# KiCad board AICORS_PCB.kicad_pcb (continued)
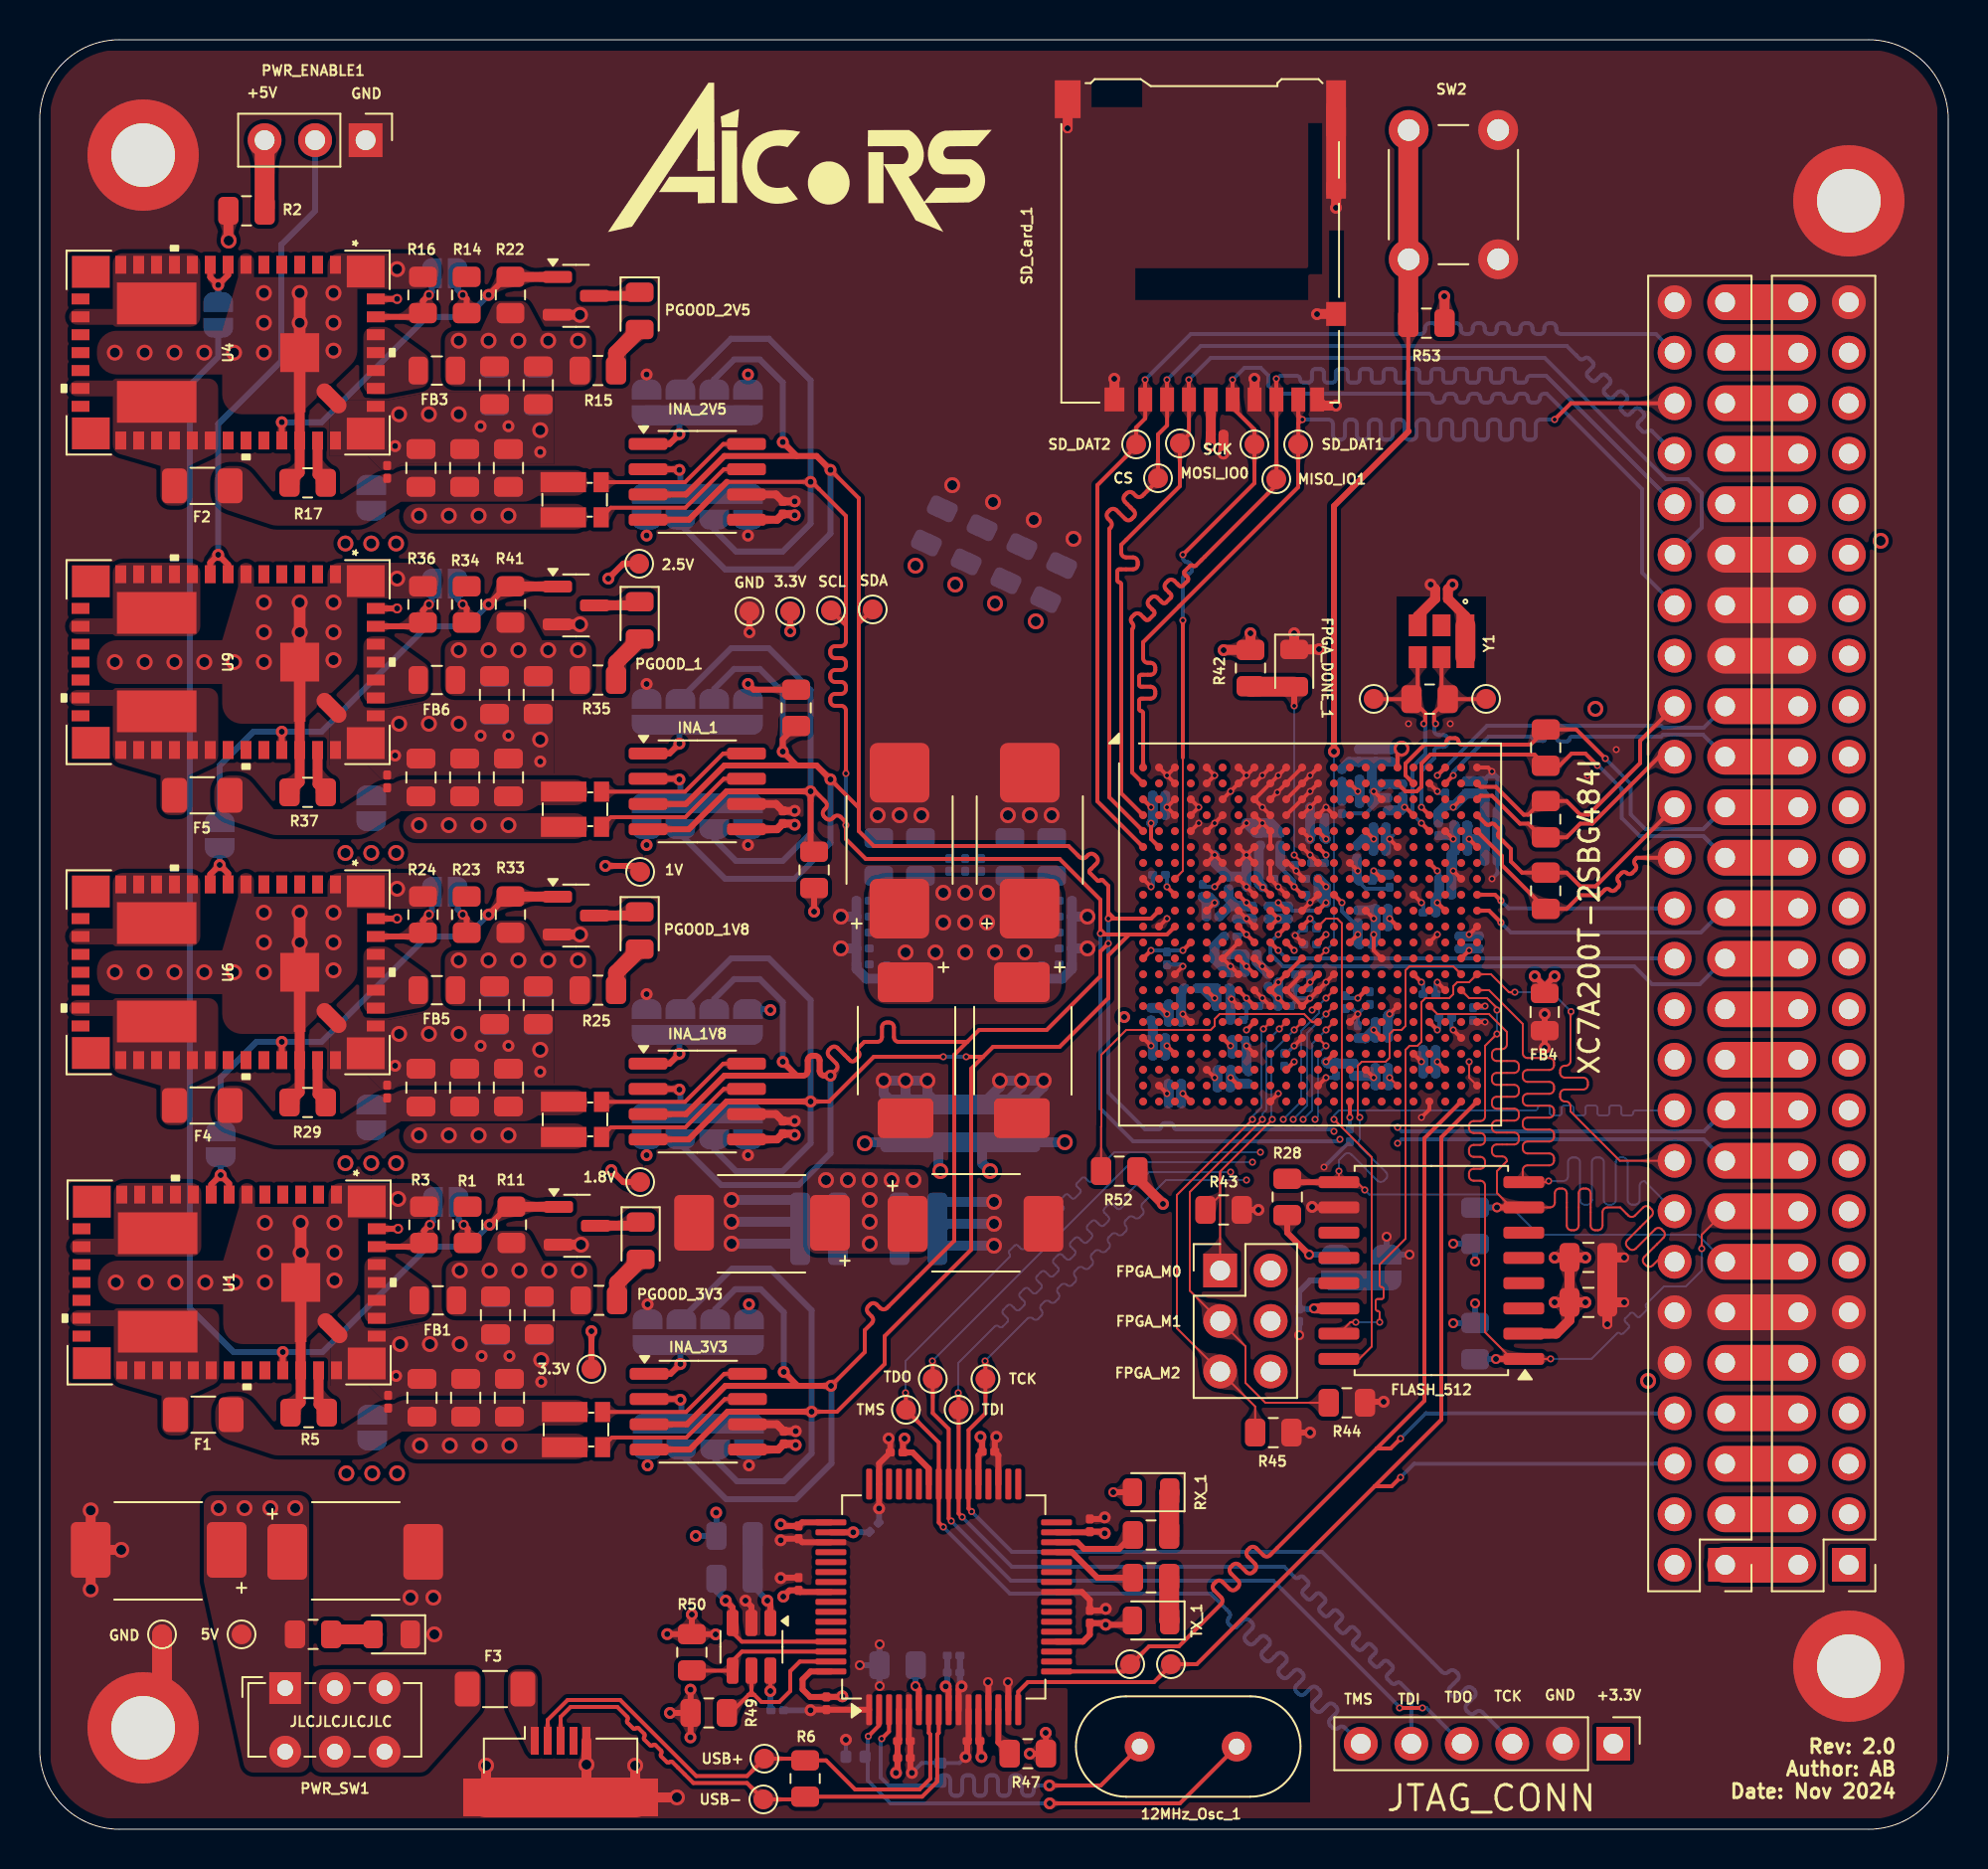
[diagram p0: board, top side]
## Nets (continued)
Pads without a net: FLASH_512 3 4 5 6 11 12 13; J4 4; U1 3 4 5 6 15 16 18 19 20 22 23 30 31 32; U3 A4 A6 A13 A14 A15 A16 A18 A19 A21 AA1 AA3 AA4 AA5 AA6 AA8 AA9 AA10 AA11 AA13 AA14 AA15 AA16 AA18 AA19 AA20 AA21 AB1 AB2 AB3 AB5 AB6 AB7 AB8 AB10 AB11 AB12 AB13 AB15 AB16 AB17 AB18 AB20 B2 B4 B6 B13 B15 B16 B21 C2 C5 C7 C13 C14 C15 C17 C18 C19 C20 D2 D5 D7 D14 D15 D16 D17 D20 D21 E2 E3 E6 E10 E13 E14 E16 E17 E18 E21 F3 F4 F6 F10 F13 F14 F15 F16 F18 F19 F20 F21 G1 G2 G3 G4 G13 G15 G16 G17 G18 G20 G21 G22 H2 H4 H5 H13 H14 H15 H17 H18 H19 H20 H22 J1 J2 J4 J5 J6 J14 J15 J16 J17 J19 J20 J21 K1 K3 K4 K6 K13 K14 K16 K17 K18 K19 K21 L1 L4 L5 L6 L13 L14 L15 L16 L18 L19 L20 L21 M1 M2 M3 M5 M6 M13 M15 M16 M17 M18 M20 M21 M22 N2 N3 N4 N5 N9 N10 N13 N14 N15 N17 N18 N19 N20 N22 P1 P2 P4 P5 P6 P14 P15 P16 P17 P19 P20 R1 R2 R3 R4 R6 R14 R16 R17 R18 R19 T1 T3 T4 T5 T6 T14 T15 T16 T18 T20 T21 U1 U2 U3 U5 U6 U7 U15 U16 U17 U18 U20 U21 V2 V3 V4 V5 V7 V8 V9 V10 V13 V14 V15 V17 V18 V19 V20 V22 W1 W2 W4 W5 W6 W7 W9 W10 W11 W12 W14 W15 W16 W17 W19 W20 W21 W22 Y1 Y2 Y3 Y4 Y6 Y7 Y8 Y9 Y11 Y12 Y13 Y14 Y16 Y17 Y18 Y19 Y21 Y22; U4 3 4 5 6 15 16 18 19 20 22 23 30 31 32; U6 3 4 5 6 15 16 18 19 20 22 23 30 31 32; U9 3 4 5 6 15 16 18 19 20 22 23 30 31 32; U12 18 19 21 22 23 24 26 27 28 32 33 34 36 43 44 45 46 48 52 53 54 55 57 58 59 60; Y1 2

## Via types
v1: diameter 0.35, hole 0.2, Top to Bottom, 207 vias
v2: diameter 0.6, hole 0.3, Top to Bottom, 147 vias
v3: diameter 0.5, hole 0.3, Top to Bottom, 34 vias
v4: diameter 0.8, hole 0.5, Top to Bottom, 196 vias

## Routing (per net, layer and track width the routed paths; a pad name or vN(x,y) marks a point on that pad's centre or on a via; arc(x,y) is an arc through that point)
1V_VOLTAGE_EN: length 25.2
  Top w0.3: U9.9 8.58,63.7 v2(8.98,64.1) 9.48,63.6 U9.8
  Bottom w0.3: v2(8.98,64.1) 8.98,70.68 12.15,73.85 12.15,79.7 13.85,81.4 PWR_ENABLE1.2
+1.8V: length 163.1
  Top w0.1: U3.AA17 v1(67.9,37.8)
  Top w0.2: v1(59.9,39.4) U3.V6 ; U3.T2 v1(56.7,41) ; U3.M12 v1(64.7,45) ; v1(64.7,46.6) U3.K12 ; U3.V16 v1(67.1,40.2) ; U3.K10 v1(62.3,46.6) ; U3.W13 v1(64.7,38.6) ; U3.AB4 v1(57.5,37) ; U3.E12 v1(64.7,49.8) ; U3.W3 v1(56.7,39.4) ; U3.Y10 v1(63.1,38.6) ; U3.AA7 v1(59.9,37.8) ; U3.H12 v1(64.7,47.4) ; U3.AB14 v1(65.9,35.8) ; U3.R11 U3.P12 ; U3.R5 v1(59.1,41.8)
  Top w0.3: U6.44 v3(17.98,45.8) ; v2(28.75,33.15) 29.35,32.55 PWR_1V1.1
  Top w1.8: J10.46 J14.45 ; J10.8 J14.7
  In2.Cu w0.5: J14.7 83.5,22.2 81.25,22.2 v4(80.9,22.55)
  In3.Cu w0.3: 56.3,42.2 32.9,42.2 27.55,47.55 19.73,47.55 v3(17.98,45.8)
  In3.Cu w0.5: J14.45 83.51,70.45 81.4,70.45 80.15,69.2 80.15,37.85 75.85,33.55 ; 75.85,33.55 75.8,33.6 68.1,33.6 ; 75.85,33.55 80.4,29 80.4,23.05 v4(80.9,22.55)
  Bottom w0.2: C86.1 62.12,46.42 v1(62.3,46.6) 62.48,46.42 C87.1 63.02,46.2 U3.K12 v1(64.7,46.6) ; 56.78,41.1 C175.1 ; 56.78,41.1 56.7,41.02 v1(56.7,41) ; 56.78,41.1 C163.1 ; C88.1 64.22,44.52 v1(64.7,45) ; C171.1 63.8,42.5 ; 63.8,42.5 v1(63.9,42.6) ; 63.8,42.5 63.8,42.22 63.82,42.2 ; v1(59.9,39.4) 59.9,39.28 59.98,39.2 ; 57.42,37.1 C91.1 ; 57.42,37.1 C158.1 ; 57.42,37.1 57.5,37.02 v1(57.5,37) ; C162.1 56.62,39.5 ; 56.62,39.5 C174.1 ; 56.62,39.5 56.7,39.42 v1(56.7,39.4) ; v1(59.1,41.8) 59.1,41.82 59.18,41.9 ; C156.1 62.88,38.38 v1(63.1,38.6) ; C165.1 64.62,49.88 ; C166.1 59.18,41.9 ; 59.18,41.9 C178.1 ; C90.1 67.18,40.3 ; 67.18,40.3 67.1,40.22 v1(67.1,40.2) ; 67.18,40.3 C169.1 ; 59.98,39.2 C173.1 ; 59.98,39.2 59.98,39.8 ; v1(65.9,35.8) C157.1 ; C164.1 64.7,47.38 v1(64.7,47.4) ; v1(64.7,38.6) 65.14,38.6 C93.1
  Bottom w0.5: C158.1 C91.1 ; C168.1 58.5,42.3 ; 58.5,42.3 C166.1 C178.1 59.18,41.62 58.5,42.3 ; v1(56.7,41) 56.38,41.32 C155.1 ; C167.1 66.68,39.78 v1(67.1,40.2) ; C160.1 67.82,37.42 C172.1 ; v1(64.7,38.6) 64.78,38.52 C159.1 ; C169.1 C90.1 ; v1(59.9,37.8) 60.22,37.48 C170.1 ; C162.1 C174.1 ; 64.62,50.85 C177.1 64.62,49.88 v1(64.7,49.8) ; C89.1 59.92,37.34 C94.1 ; C163.1 C175.1 ; C87.1 C86.1 ; C161.1 C173.1 ; C176.1 C164.1 64.32,46.98 v1(64.7,46.6) v1(64.7,47.4) 64.7,47.42 C176.1
  vias: v4(15.38,33.5) v4(16.68,33.5) v4(17.93,33.5) v4(39.55,32.65) v4(40.65,32.65) v4(41.75,32.65) v4(41.75,31.65) v4(41.75,30.55) v4(41.75,29.45) v4(42.85,32.65) v4(43.95,32.65)
+2.5V: length 198.9
  Top w0.2: v1(68.65,51.4) 68.7,51.4 U3.D18 ; U3.A17 68.3,54.15 v4(68.5,54.35) ; U3.B14 v1(66.3,52.2) ; U3.E15 v1(67.1,49.8) ; U3.C21 v1(71.1,51.4) ; U3.F22 v1(71.9,49.8)
  Top w0.3: v2(28.6,62.9) 29.35,63.65 PWR_2V1.1 ; U4.44 17.98,76.97 v3(17.98,76.97)
  Top w1.8: J14.47 J10.48 ; J14.5 J10.6
  In2.Cu w0.5: v4(68.5,54.35) 72,54.35 77.85,60.2 77.85,69.8 81.05,73 83.5,73 J14.47
  In3.Cu w0.3: 66.95,54.55 66.95,55.35 43.7,78.6 19.61,78.6 v3(17.98,76.97)
  In3.Cu w0.5: J10.6 89.74,17.1 92.15,17.1 94.2,19.15 94.2,68.15 91.9,70.45 89.73,70.45 J10.48
  Bottom w0.2: C99.1 67.97,51.4 v1(68.65,51.4) 68.55,51.5 C104.1 ; 65.98,52.2 C114.1 ; 65.98,52.2 C103.1 ; 65.98,52.2 v1(66.3,52.2) ; C98.1 71.9,49.28 v1(71.9,49.8) 71.79,49.91 C97.1 ; C111.1 70.35,51 70.75,51.4 v1(71.1,51.4) ; C106.1 67.1,49.22 v1(67.1,49.8) 67.08,49.82 C95.1 ; C96.1 66.3,51.68 v1(66.3,52.2) ; v1(71.1,51.4) 70.78,51.4 C107.1 ; v1(71.1,51.4) 71.1,51.43 C116.1 ; 72.68,52 C113.1 C112.1 C109.1 ; v1(66.3,52.2) 66.3,52.72 C110.1 ; C115.1 67.22,54.3 68.3,54.3 68.3,54.27
  Bottom w0.5: C111.1 70.35,51.13 C107.1 71.15,51.48 C116.1 C108.1 72.68,52 C109.1 ; C106.1 C95.1 ; C112.1 72.38,49.8 v1(71.9,49.8) ; 65.5,52.2 v1(66.3,52.2) ; 65.5,52.2 C103.1 ; 65.5,52.2 C114.1 ; C100.1 C115.1 C105.1 ; C104.1 68.55,51.45 68.6,51.4 68.43,51.23 C99.1 ; C98.1 71.82,50.47 C97.1 ; C101.1 66.58,49.8 v1(67.1,49.8) ; C110.1 C96.1
  vias: v4(15.38,64.67) v4(16.68,64.67) v4(17.93,64.67) v4(44.05,63.55) v4(46.05,62.6) v4(48.05,61.65) v4(50.1,60.75)
+3.3V: length 196.6
  Top w0.2: U3.K20 v1(70.3,46.6) ; U3.L17 v1(67.9,45.8) ; U3.C1 v1(55.9,51.4) ; v1(60.7,40.2) U3.U8 ; U3.U19 v1(70.3,40.2) ; U3.F12 v1(64.7,49) ; U3.H6 v1(59.1,47.4) ; U3.N1 v1(55.9,44.2) ; U3.F2 55.9,49.8 v1(55.9,50.6) ; U3.R15 v1(66.3,41.8) ; U3.J13 v1(65.5,46.6) ; U3.P18 v1(69.5,42.6) ; U3.M4 v1(57.5,44.2) ; U3.J3 v1(56.7,47.4) ; U3.N21 v1(71.9,44.2) ; EEPROM_1.6 v2(36.75,6.95) ; U3.H16 v1(67.1,48.2) ; v1(72.7,41.4) U3.T22 ; U3.T12 64.2,41.4 v1(64,41.2) ; U3.M14 v1(66.3,45) ; U3.Y20 v1(70.3,38.6) ; U3.G19 v1(70.3,48.2)
  Top w0.3: SCL_UP_1.2 v2(38.95,46.15) ; R49.1 32.74,7.02 v2(32.73,7.02) ; R49.1 32.74,4.63 v2(32.73,4.62) ; R49.1 v2(31.7,5.85) ; U12.56 38.25,11.94 C221.1 37.72,12.02 v2(37.4,11.7) ; R50.1 v2(32.8,10.8) ; R50.1 33.99,9.81 v2(34,9.8) ; R50.1 v2(31.56,9.81) ; U12.9 45.72,7.03 v2(45.57,7.19) ; U1.44 v3(18.03,30.2) ; U12.42 44.72,18.13 43.91,18.95 C224.1 43.42,19.57 v2(43.5,19.65) ; v2(50.6,4.85) 50.61,4.84 R47.2 v2(49.8,3.8) ; RX_1.2 v3(54,16.95) ; v2(35.63,57.6) 35.91,57.31 SDA_UP_1.2 ; v3(63.85,28.9) 62.75,30 R28.1 ; TX_1.2 54.75,10.28 v2(53.62,10.28) 53.54,10.37 C222.1 52.82,9.78 52.47,9.44 U12.20 ; U12.4 43.22,4.5 C227.1 C228.1 43.15,2.91 v2(43.07,2.84) ; PWR_3V1.1 v2(27.75,25.05) ; v2(53.57,14.89) 53.49,14.97 C223.1 52.79,14.94 U12.31 ; TP19.1 v2(37.75,60.25) ; U12.50 v2(40.92,14.94)
  Top w0.4: 35.55,65.86 37.09,65.86 C151.1 37.92,66.15 v2(37.98,66.09) ; 35.55,34.7 37.09,34.7 C199.1 37.92,34.98 v2(37.98,34.92) ; v2(37.98,50.52) 37.92,50.58 C213.1 37.09,50.3 35.55,50.3 ; INA_3V3.5 37.14,19.1 C66.1 37.97,19.38 v2(38.03,19.32)
  Top w0.5: v2(58.89,69.58) 58.9,69.59 C204.1 58.91,70.15 SD_Card_1.4 ; Y1.1 71.71,61.01 C15.1 70.83,62.37 v2(71.06,62.6) ; v2(76.2,28.75) 76.21,28.76 C233.1 ; C234.1 76.95,25.6 76.28,24.93 FLASH_512.2 ; C234.1 v2(77.75,26.5) ; C234.1 C233.1 ; C234.1 v2(76.2,26.5) ; v2(60.9,60.15) R42.1 59.56,59.31 v2(59.55,59.3) ; C233.1 77.74,28.76 v2(77.75,28.75) ; R53.1 70.66,77.09 v2(70.65,77.1) ; v2(56.5,31.45) 55.21,32.74 R52.1
  Top w1: Y1.6 Y1.1
  Top w1.8: J10.4 J14.3 ; J10.50 J14.49
  In3.Cu w0.3: v3(18.03,30.2) 17.45,30.2 14.5,33.15 14.5,35.8 15.35,36.65 16.05,36.65 16.05,36.65 37.2,36.65 41.4,40.85 v2(54.55,40.85)
  Bottom w0.2: C146.1 69.58,42.52 v1(69.5,42.6) ; C130.1 55.9,51.08 v1(55.9,51.4) ; C130.1 C150.1 ; C130.1 55.9,50.92 v1(55.9,50.6) ; 67.4,48.02 67.04,48.02 67.02,48 ; 67.4,48.02 C125.1 ; 67.4,48.02 67.28,48.02 ; v1(65.5,46.6) 65.5,46.18 66.1,45.58 C145.1 v1(66.3,45) 66.38,44.92 C142.1 ; C147.1 70.38,40.28 v1(70.3,40.2) ; C127.1 65.82,41.8 v1(66.3,41.8) 66.62,42.12 C139.1 ; C131.1 70.38,48.12 v1(70.3,48.2) ; v1(56.7,47.4) 56.7,47.92 C129.1 ; C123.1 70.38,46.68 v1(70.3,46.6) 70.22,46.52 C133.1 ; 67.02,48 C143.1 67.28,47.96 67.28,48.02 ; 67.02,48 67.02,48.12 v1(67.1,48.2) 67.28,48.02 ; C126.1 72.62,41.32 v1(72.7,41.4) ; v1(57.5,44.2) v1(55.9,44.2) ; C148.1 70.22,38.68 v1(70.3,38.6) 70.22,38.52 C134.1 ; v1(64.7,49) 64.7,48.68 C149.1 ; v1(59.1,47.4) 58.62,47.4 C128.1
  Bottom w0.3: v2(36.75,41.2) 36.7,41.25 A1_2.1 ; v2(30.53,65.07) A0_3.1 ; v3(72.2,26.45) R27.1 71.11,25.46 v3(71.1,25.45) ; v2(35.63,73.17) A1_3.1 ; v2(33,14.75) R48.1 34.04,15.91 v2(34.03,15.93) ; v2(30.58,18.3) A0_4.1 ; JP8.2 v3(63.85,28.9) ; v2(36.75,6.95) 36.75,6.01 C231.1 ; v3(71.1,29.45) 71.11,29.44 R26.1 v3(72.2,28.55) ; v2(30.53,33.9) A0_2.1 ; C226.1 45.65,7.27 v2(45.57,7.19) ; v2(35.63,57.6) A1_1.1 ; C220.1 41.72,14.94 v2(40.92,14.94) ; v2(35.68,26.4) A1_4.1 ; v2(30.53,49.5) A0_1.1
  Bottom w0.5: C133.1 70.22,46.84 C131.1 C123.1 ; C141.1 C124.1 ; C134.1 C148.1 ; C184.1 41.55,34.55 v4(41.5,34.5) ; v4(45.3,33.1) 45.2,33.2 C183.1 ; C185.1 51.56,34.55 v4(51.56,34.55) ; C145.1 66.3,44.58 C142.1 ; C186.1 47.4,33.5 v4(47.8,33.1) ; 67.02,47.75 67.29,48.02 C125.1 ; v1(55.9,50.6) 55.98,50.68 C150.1 ; C132.1 C144.1
  Bottom w1: C185.1 C184.1
  vias: v4(15.43,17.9) v4(16.73,17.9) v4(17.98,17.9)
+5V: length 166
  Top w0.5: R2.2 9.49,79.91 v4(9.5,79.9)
  Top w1.8: J14.1 J10.2 ; J10.52 J14.51
  In3.Cu w1: 13.8,80.35 19.2,80.35 26.4,87.55 75.23,87.55 84.78,78 J14.51
  In4.Cu w1: J10.52 90.31,78.65 92,78.65 93.95,76.7 93.95,12.3 92.95,11.3 90.1,11.3 88.46,12.94
  vias: v4(9,16.15) v4(10.3,16.15) v4(11.6,16.15) v4(12.85,16.15) v4(21.08,74.87) v4(21.08,59.3) v4(21.08,43.7) v4(21.13,28.1) v4(22.58,74.87) v4(22.58,59.3) v4(22.58,43.7) v4(22.63,28.1) v4(24.08,74.87) v4(24.08,59.3) v4(24.08,43.7) v4(24.13,28.1) v4(25.58,74.87) v4(25.58,59.3) v4(25.58,43.7) v4(25.63,28.1) v4(27.08,74.87) v4(27.08,59.3) v4(27.08,43.7) v4(27.13,28.1)
AGND: length 4.5
  Top w0.2: U3.L9 v1(62.3,45.8) U3.K9 ; U3.M10 v1(63.1,44.2)
  Top w0.3: 75.7,42.4 v2(76.2,42.9) ; 75.7,42.4 v2(75.2,42.9) ; 75.7,42.4 FB4.1
  Bottom w0.5: C86.2 C87.2
AGND_1: length 6.8
  Top w0.5: U1.45 U1.34 13.12,21.46 12.61,20.95
  vias: v4(3.83,27.5) v4(5.33,27.5) v4(6.83,27.5) v4(8.33,27.5) v4(9.83,27.5) v4(11.33,30.5) v4(11.33,29) v4(11.33,27.5) v4(13.13,30.5) v4(13.13,29) v4(14.83,30.5) v4(14.83,29) v4(14.83,27.6) v4(18.03,31.7)
AGND_2: length 6.8
  Top w0.5: U6.45 U6.34 13.07,37.06 12.56,36.55
  vias: v4(3.78,43.1) v4(5.28,43.1) v4(6.78,43.1) v4(8.28,43.1) v4(9.78,43.1) v4(11.28,46.1) v4(11.28,44.6) v4(11.28,43.1) v4(13.08,46.1) v4(13.08,44.6) v4(14.78,46.1) v4(14.78,44.6) v4(14.78,43.2) v4(17.98,47.3)
AGND_3: length 6.8
  Top w0.5: R17.1 13.07,68.23 U4.34 U4.45
  vias: v4(3.78,74.27) v4(5.28,74.27) v4(6.78,74.27) v4(8.28,74.27) v4(9.78,74.27) v4(11.28,77.27) v4(11.28,75.77) v4(11.28,74.27) v4(13.08,77.27) v4(13.08,75.77) v4(14.78,77.27) v4(14.78,75.77) v4(14.78,74.37) v4(17.98,78.47)
AGND_4: length 6.8
  Top w0.5: 12.56,52.15 13.07,52.66 U9.34 U9.45
  vias: v4(3.78,58.7) v4(5.28,58.7) v4(6.78,58.7) v4(8.28,58.7) v4(9.78,58.7) v4(11.28,61.7) v4(11.28,60.2) v4(11.28,58.7) v4(13.08,61.7) v4(13.08,60.2) v4(14.78,61.7) v4(14.78,60.2) v4(14.78,58.8) v4(17.98,62.9)
GND: length 358.4
  Top w0.1: U3.AA22 71.9,37.8 v1(71.9,38.6)
  Top w0.2: U3.A5 v1(59.1,53) U3.B5 ; v1(67.1,45) 67.1,44.2 U3.N16 ; v1(73.05,53.2) 72.85,53.4 U3.A22 ; U3.J8 U3.H7 ; U3.H11 63.5,47.9 62.8,48.6 U3.G10 ; U3.R20 v1(70.3,42.6) ; U3.E7 v1(60.7,50.6) ; U3.G12 v1(63.9,49) U3.F11 ; U3.C12 U3.D11 ; U3.A11 U3.C9 ; U3.F17 v1(67.9,49.8) ; U3.D8 U3.E9 U3.F9 ; U3.P3 v1(57.5,43.4) ; U3.U22 v1(72.7,40.6) ; U3.J10 U3.H9 U3.G9 ; U3.M19 v1(70.3,45) ; U3.AB19 69.9,36.2 v1(69.5,35.8) ; U3.V21 v1(71.1,40.2) ; U3.V11 v1(63.1,39.4) ; U3.L22 v1(71.9,45) ; U3.B3 v1(56.7,53) ; v1(56.7,53) U3.A2 ; v1(56.7,53) U3.A3 ; U3.P9 U3.N8 ; U3.F8 v1(60.7,49) U3.G7 ; U3.K15 v1(67.1,45.8) ; U3.D4 v1(58.3,51.4) U3.C4 ; U3.A9 U3.B8 ; U3.H21 v1(71.1,48.2) ; U3.W18 v1(69.5,38.6) ; U3.AA12 v1(64.7,37.8) ; v1(70.3,52.2) 69.9,52.6 U3.B19 ; U3.P11 U3.R10 U3.T11 U3.P13 ; U3.E4 v1(58.3,50.6) ; U3.M7 U3.N6 U3.P7 ; U3.D3 v1(56.7,51.4) U3.C3 ; U3.K11 U3.J12 ; U3.D13 v1(64.7,51.4) U3.D12 ; U3.G6 U3.F5 ; U3.W8 v1(60.7,39.4) ; U3.AB9 v1(62.3,37) ; U3.B12 U3.D10 ; U3.J18 v1(69.5,46.6) ; U3.G8 U3.F7 ; U3.A8 U3.C6 ; U3.T7 v1(59.95,41.75) ; U3.D9 U3.C8 U3.A10 ; U3.Y15 v1(67.1,37.8) ; U3.C16 v1(67.1,52.2) ; U3.R8 U3.T9 ; U3.L8 U3.K7 ; U3.A12 U3.C10 ; U3.E11 v1(63.9,49.8) ; U3.G14 v1(66.3,48.2) ; U3.U4 v1(57.5,41) ; U3.V1 v1(55.9,39.4) ; U3.AA2 v1(56.7,37) ; U3.D6 U3.E5 ; U3.U14 v1(66.3,41) ; U3.M11 v1(63.15,44.95) ; U3.K5 v1(59.1,46.6) ; U3.H1 v1(55.9,47.4) ; U3.G5 v1(59.1,49) ; U3.E8 v1(61.5,50.6) ; U3.E20 v1(71.1,49.8) ; v1(59.1,37.8) U3.Y5 ; U3.L2 v1(56.7,45.8) ; U3.T17 v1(67.9,41) ; U3.A7 v1(60.7,53)
  Top w0.3: U12.15 48.72,7.38 v3(48.7,7.4) ; U12.11 46.72,4.5 C218.2 46.65,3.72 v2(46.57,3.64) ; v2(38.77,5.99) 38.8,6.02 C219.2 39.58,6.01 U12.1 ; v2(37.27,12.64) 37.29,12.66 C221.2 ; 52.82,15.61 53.49,15.61 v2(53.57,15.69) ; U12.5 43.72,4.5 C227.2 C228.2 43.79,2.91 v2(43.87,2.84) ; TP28.1 v2(35.7,60.2) ; EEPROM_1.2 35.8,11.2 v2(35.5,11.5) ; FLASH_512.10 64.03,31.28 v2(64,31.3) ; v2(42.22,16.14) U12.47 42.22,18.39 C224.2 42.78,19.57 v2(42.7,19.65) ; v2(46.37,7.19) 46.22,7.03 U12.10 ; v2(75.7,41) FB4.2 v2(75.7,39.3) ; U12.13 47.72,7.38 v3(47.7,7.4) ; R45.1 v2(63.9,19.95) ; 66.66,21.5 v2(67.6,21.5) ; v2(48.12,19.73) 48.04,19.66 C217.2 48.22,18.81 U12.35 ; U12.25 52.42,11.94 52.82,11.53 C222.2 53.54,11 v2(53.62,11.09) ; R43.1 v2(61.3,31.15) ; U12.51 38.35,14.44 C229.2 37.35,14.62 v2(37.27,14.53)
  Top w0.4: v2(37.98,66.79) C151.2 37.03,67.13 35.55,67.13 ; v2(37.98,35.62) C199.2 37.03,35.97 35.55,35.97 ; v2(37.98,51.22) C213.2 37.03,51.57 35.55,51.57 ; INA_3V3.6 37.08,20.37 C66.2 v2(38.03,20.02)
  Top w0.5: SD_Card_1.10 65.21,81.56 v2(65.2,81.55) ; SD_Card_1.6 61.11,72.95 v2(61.1,72.95) ; v4(27.18,45) 27.17,45.01 26.04,45.01 ; v2(63.1,60.15) FPGA_DONE_1.1 64.34,59.34 v2(64.35,59.35) ; SD_Card_1.11 54.06,72.95 v2(54.05,72.95) ; v3(78.85,25.4) C234.2 v3(79.7,26.5) ; 26.04,60.61 27.17,60.61 v4(27.18,60.6) ; C122.2 v4(4.1,14.05) ; C122.2 v4(2.56,16.04) ; C122.2 v4(2.56,12.06) ; J4.6 27.5,1.75 v4(27.5,3.25) J4.5 ; J4.6 v4(22.45,3.2) ; v2(64.25,76.2) 64.26,76.21 SD_Card_1.11 ; Y1.3 69.31,61.01 C15.2 70.19,62.37 v2(69.96,62.6) ; v4(29.95,3.2) J4.6 v4(32.05,1.6) ; SD_Card_1.11 51.71,85.56 v3(51.7,85.55) ; v2(65.2,71.6) 64.57,71.6 SD_Card_1.9 ; v2(59.54,69.19) C204.2 ; v4(27.23,29.4) 27.22,29.41 26.09,29.41 ; v4(27.18,76.17) 27.17,76.17 Q2.2 ; C233.2 79.69,28.76
  Top w1: H1.1 6.15,6.05 TP8.1 ; C234.2 C233.2 ; SD_Card_1.10 SD_Card_1.11
  Top w1.8: J10.38 J14.37 ; J14.39 J10.40 ; J10.42 J14.41 ; J10.12 J14.11
  Top w2: J4.6 J4.6
  Bottom w0.2: v1(64.6,33.3) 65.88,34.58 C157.2 ; v1(56.7,37) 56.7,37.02 56.78,37.1 ; C126.2 72.62,40.68 v1(72.7,40.6) ; C140.2 57.42,43.48 v1(57.5,43.4) ; v2(46.57,3.64) 46.27,3.33 C232.1 44.37,3.33 v2(43.87,2.84) ; v1(71.1,49.8) 71.18,49.72 C98.2 71.18,48.28 v1(71.1,48.2) 71.02,48.12 C131.2 ; v1(71.1,49.8) 70.92,49.98 C111.2 ; v1(71.1,49.8) 71.15,49.85 C97.2 ; C106.2 67.72,49.62 v1(67.9,49.8) ; C129.2 55.98,47.48 v1(55.9,47.4) ; C103.2 66.7,51.08 67.02,51.4 C96.2 67.02,52.12 v1(67.1,52.2) ; 72.79,52.91 73.05,53.17 v1(73.05,53.2) 73.32,52.93 ; 72.79,52.91 C108.2 ; 72.79,52.91 72.81,52.93 73.32,52.93 ; v1(63.9,46.6) 63.68,46.82 C164.2 ; C19.2 61.22,43.68 v1(61.5,43.4) 61.5,43.32 C60.2 ; C95.2 67.72,49.98 v1(67.9,49.8) ; v1(67.9,49.8) 68.08,49.98 ; C171.2 63.16,41.64 ; 63.16,41.64 C9.2 ; 63.16,41.64 63.31,41.79 v1(63.89,41.79) 63.96,41.79 64.7,42.53 v1(64.7,42.6) ; C89.2 59.28,37.34 59.28,37.7 ; v1(67.1,45.8) 66.68,46.22 C145.2 ; C53.2 59.08,43.8 59.48,43.4 v1(59.9,43.4) 59.98,43.32 C61.2 ; C29.2 58.68,46.18 v1(59.1,46.6) ; v1(59.1,37.8) 59.18,37.8 59.28,37.7 ; C230.1 v2(40.55,4.5) ; 59.28,37.7 C94.2 ; C20.2 61.5,41.58 v1(61.5,41.8) ; v1(66.3,41) 66.78,41.48 C139.2 ; v1(66.3,41) 66.02,41.28 C127.2 ; v1(66.3,41) C167.2 ; v1(67.1,52.2) 67.02,52.28 C110.2 67.02,53 ; v1(67.1,52.2) 67.43,51.87 C99.2 ; v1(69.5,46.6) 69.58,46.52 C133.2 ; v1(70.3,42.6) 70.22,42.52 C146.2 ; C88.2 63.58,44.52 v1(63.15,44.95) 63.5,45.3 C18.2 ; v1(63.1,39.4) 62.72,39.02 C156.2 ; 56.78,37.1 C91.2 ; 56.78,37.1 C158.2 ; v1(67.1,45) 67.02,44.92 C142.2 ; C101.2 66.25,48.25 v1(66.3,48.2) 66.38,48.12 C143.2 66.38,47.62 66.7,47.3 67.82,47.3 C125.2 ; 73.32,52.93 C113.2 C112.2 C109.2 73.32,48.07 v1(73.05,47.8) ; v1(64.7,37.8) 65.1,37.8 C93.2 ; C134.2 69.58,38.52 v1(69.5,38.6) 69.58,38.68 C148.2 ; v1(60.7,39.4) 60.62,39.48 60.62,39.8 ; C149.2 63.9,48.68 v1(63.9,49) ; v1(61.5,50.6) 61.4,50.5 C62.2 ; C147.2 71.02,40.28 v1(71.1,40.2) ; v1(62.3,47.4) 62.08,47.62 C57.2 ; 67.18,44.66 C132.2 C144.2 ; 63.16,42.3 C92.2 ; C55.2 63.12,48.28 v1(63.2,48.2) 63.6,47.8 C176.2 ; v1(70.3,52.2) 70.38,52.12 C107.2 ; 59.88,40.6 59.82,40.66 C178.2 59.95,41.53 v1(59.95,41.75) 59.95,42.17 C166.2 ; C105.2 67.06,53.68
  Bottom w0.3: C226.2 46.29,7.27 v2(46.37,7.19) ; v2(35.63,49.5) A0_1.4 ; v2(35.63,33.9) A0_2.4 ; v3(67.75,29.8) JP10.2 v3(68.9,28.9) ; v2(30.58,26.4) A1_4.4 ; v3(42.25,7.2) 42.24,7.21 R46.1 ; v2(42.22,16.14) 42.22,15.44 C220.2 ; v2(30.53,73.17) A1_3.4 ; C231.2 v2(38.77,5.98) ; R46.1 42.24,9.29 v3(42.25,9.3) ; R46.1 v3(41.25,8.25) ; C203.2 v3(63.35,24.85) ; v2(30.53,42) A1_2.4 ; v2(35.63,65.07) A0_3.4 ; v2(35.68,18.3) A0_4.4 ; v2(30.53,57.6) A1_1.4
  Bottom w0.5: C61.2 59.75,43.1 59.08,43.77 C53.2 59.08,44.4 C59.2 ; C179.2 37.9,29.45 v4(34.8,29.45) ; 44,36.45 43.55,36.9 v4(43.55,37.65) ; 67.18,46 67.18,44.66 C142.2 ; 67.18,46 66.96,46.22 C145.2 ; 67.18,46 C144.2 ; v1(59.1,49) 59.1,48.62 C54.2 60.56,47.92 C16.2 ; v4(34.8,30.55) 37.9,30.55 38.25,30.2 ; C143.2 66.25,47.83 C101.2 ; C116.2 C108.2 ; C155.2 55.98,40.6 C162.2 ; C130.2 C150.2 ; v4(48,31.55) 45.4,31.55 C180.2 ; C131.2 C123.2 71.02,49.04 C98.2 71.18,50.47 C97.2 ; C19.2 61.22,43.6 C60.2 ; C172.2 67.18,37.42 C160.2 ; v1(63.9,51.4) v1(63.9,49.8) ; 48.5,36.45 49.4,37.35 v4(49.4,37.65) ; C58.2 C17.2 ; v1(60.7,39.4) 60.7,38.22 C170.2 ; v1(67.1,37.8) 67.02,37.88 C159.2 ; C21.2 59.88,42.24 C166.2 ; C182.2 37.9,31.65 v4(34.8,31.65) ; 71.15,50 71.13,49.98 70.55,49.98 ; C148.2 C134.2 ; C7.2 C6.2 51.92,43.27 51.43,42.78 C5.2 ; v4(48,29.35) 45.4,29.35 C181.2 ; C185.2 50.5,37.35 v4(50.5,37.65) v4(48.3,37.65) 48.3,37.35 C186.2 ; v4(48,30.45) 45.6,30.45 45.15,30 ; C168.2 57.42,42.14 C163.2 ; C115.2 C100.2 65.86,53.68 C114.2 ; C115.2 C105.2 ; C115.2 67.02,53.5 C110.2 ; C29.2 58.68,46.7 C128.2 58.82,46.88 v1(59.1,46.6) ; C124.2 C141.2 ; C184.2 42.45,37 v4(42.45,37.65) v4(44.65,37.65) 44.65,37 C183.2 ; C95.2 C106.2 ; v1(67.1,52.2) 67.47,52.57 C104.2 ; C109.2 C113.2 ; C64.2 v4(40.3,45.9) ; C96.2 67.29,51.87 C99.2 ; C90.2 67.82,40.92 v1(67.9,41) ; C27.2 v4(52.7,44.3) ; C23.2 C22.2 41.08,43.27 41.57,42.78 C8.2 ; C89.2 59.24,38.16 C94.2 ; C91.2 C158.2 ; C28.2 v4(52.7,45.9) ; v1(60.7,49) v1(60.7,47.4) ; C63.2 v4(40.3,44.3) ; 61.18,50.12 v1(60.7,50.6) v1(61.5,50.6) 61.92,50.6 C56.2 C62.2 61.18,50.12
  Bottom w1: C182.2 C179.2 ; C180.2 C181.2 ; C185.2 C184.2
  vias: v1(59.1,50.6) v1(59.9,52.2) v1(60.7,45.8) v1(61.5,53) v1(61.5,51.4) v1(62.25,52.15) v1(62.3,53) v1(63.9,53) v1(63.9,52.2) v1(68.85,55.6) v1(70.95,55.6) v1(77.85,53) v1(79.3,54.3) v2(17.88,69.57) v2(17.88,54) v2(17.88,38.4) v2(17.93,22.8) v2(22.18,70.57) v2(22.18,55) v2(22.18,39.4) v2(22.23,23.8) v2(23.58,70.57) v2(23.58,55) v2(23.58,39.4) v2(23.63,23.8) v2(25.18,69.27) v2(25.18,53.7) v2(25.18,38.1) v2(25.23,22.5) v3(79.7,28.75) v4(18.08,71.17) v4(18.08,55.6) v4(18.08,40) v4(18.13,24.4) v4(18.65,11.65) v4(19.58,71.17) v4(19.58,55.6) v4(19.58,40) v4(19.63,24.4) v4(19.8,11.65) v4(19.85,9.8) v4(21.08,71.17) v4(21.08,55.6) v4(21.08,40) v4(21.13,24.4) v4(25.18,70.37) v4(25.18,54.8) v4(25.18,39.2) v4(25.23,23.6) v4(42.15,51) v4(43.25,51) v4(44.35,51) v4(45.9,67.6) v4(47.95,66.75) v4(48.7,51) v4(49.8,51) v4(50,65.85) v4(50.9,51) v4(52,64.9)
VCCINT: length 177
  Top w0.2: U3.K8 U3.J7 ; U3.N11 U3.P10 U3.R9 U3.T10 ; U3.L11 v1(63.9,45.8) ; U3.J11 v1(63.1,47.4) U3.H10 ; U3.T8 U3.R7 ; U3.L7 U3.M8 ; U3.J9 U3.H8 ; U3.N7 U3.P8
  Top w0.3: U9.44 v3(17.98,61.4) ; v2(28.45,48.45) 29.9,48.45 PWR_1.1
  Top w1.8: J14.9 J10.10 ; J14.43 J10.44
  In2.Cu w0.5: v4(92.6,64.8) 92.1,65.3 89.8,65.3 J10.44 ; J14.43 83.52,67.9 80.7,67.9 79.2,66.4 79.2,57.3 v4(78.25,56.35)
  In3.Cu w0.3: v3(17.98,61.4) 18.78,62.2 41.9,62.2 53.95,50.15 60.35,50.15 61.1,49.4
  In3.Cu w0.5: v4(92.6,64.8) 93.05,64.35 93.05,25.85 91.95,24.75 89.75,24.75 J10.10
  In3.Cu w0.6: v4(78.25,56.35) 76.6,54.7 76.6,52 73.45,48.85 66.8,48.85 65.05,50.6 63.5,50.6 62.4,49.5
  Bottom w0.2: 60.52,40.6 60.68,40.76 C20.1 60.7,41.42 v1(60.7,41.8) ; C61.1 60.62,43.32 v1(60.7,43.4) 60.58,43.52 C19.1 ; 62.84,47.94 62.72,47.82 C57.1 ; 62.84,47.94 63.1,47.68 v1(63.1,47.4) ; 62.84,47.94 62.48,48.3 C55.1 ; v1(60.7,45) 60.32,45 C59.1 ; C17.1 60.82,46.6 v1(60.7,46.6) 60.38,46.6 C58.1 ; v1(63.9,45.8) 64.22,45.48 C18.1 ; 61.32,47.58 C16.1 C10.1 ; C9.1 62.28,41.78 v1(62.3,41.8) 61.8,42.3 C60.1 62.08,42.38 v1(62.3,42.6)
  Bottom w0.5: C58.1 59.8,46.82 C54.1 ; C62.1 61.32,49.4 C10.1 61.32,47.58 v1(61.53,47.38) ; C55.1 62.4,48.58 C56.1 ; C61.1 60.62,43.96 C19.1 C53.1 ; v1(62.3,42.6) v1(62.3,41.8) ; C60.1 62.28,41.9 C9.1 ; C17.1 59.84,46.42 C29.1
  vias: v4(15.38,49.1) v4(16.68,49.1) v4(17.93,49.1) v4(43.55,44.1) v4(45.05,44.1) v4(45.45,47.1) v4(45.45,45.6) v4(46.55,47.1) v4(46.55,45.6) v4(46.55,44.1) v4(47.65,47.1) v4(47.65,45.6) v4(48.05,44.1) v4(49.55,44.1)
ADC_IN_N: length 30.5
  Top w0.2: v1(62.3,44.2) U3.M9
  In3.Cu w0.5: 82.22,43.75 83.52,45.05 89.68,45.05 90.98,43.75
  Bottom w0.2: J14.26 82.22,43.8 62.7,43.8 v1(62.3,44.2)
ADC_IN_P: length 29.4
  Top w0.2: U3.L10 v1(62.3,45)
  Top w1.8: J10.26 J14.25
  Bottom w0.2: J14.25 83.5,42.5 81.1,42.5 80.2,43.4 62.53,43.4 61.9,44.03 61.9,44.6 v1(62.3,45)
FPAG_M0: length 16.4
  Top w0.1: 59.38,33 59.38,33.08 v1(62,35.7) ; 59.38,33 59.38,31.89 R43.2 ; 59.38,33 MODE_1.1 ; U3.U11 v1(63.1,40.2)
  Bottom w0.1: v1(62,35.7) 61.95,35.75 61.95,39.05 v1(63.1,40.2)
FPGA_DONE: length 11.2
  Top w0.1: U3.G11 v1(63.1,49)
  Top w0.3: v1(63.1,56.5) FPGA_DONE_1.2
  Top w1: FPGA_DONE_1.2 60.93,57.46 R42.2
  Bottom w0.1: v1(63.1,49) v1(63.1,56.5)
FPGA_M1: length 25.9
  Top w0.1: U3.U10 v1(62.35,40.25) ; R44.2 61.65,21.45 60.65,22.45 60.65,24.29 MODE_1.3 57.85,27.09 57.85,32.05 v1(61.5,35.7)
  Bottom w0.1: v1(62.35,40.25) 61.7,39.6 61.7,36.18 61.5,35.98 v1(61.5,35.7)
FPGA_M2: length 24.2
  Top w0.1: v1(61,35.7) 57.2,31.9 57.2,25.2 MODE_1.5 61.14,21.26 R45.2 ; U3.U9 v1(61.55,40.25)
  Bottom w0.1: v1(61,35.7) 61,35.85 61.45,36.3 61.45,40.15 v1(61.55,40.25)
IIC_SCL: length 262.1
  Top w0.2: 53.6,45 53.4,45 v1(53.35,45.05) 53.35,45.3 ; 53.6,45 53.35,45.25 53.35,45.3 ; 53.6,45 54.8,45 ; 53.35,45.3 53.35,46.75 51.3,48.8 41.55,48.8 40.55,49.8 v1(40.55,50.5) 40.55,50.65 40.29,50.91 arc(40.12,50.98) 39.95,50.91 39.88,50.84 arc(39.71,50.77) 39.54,50.84 39.46,50.93 arc(39.39,51.1) 39.46,51.27 39.52,51.34 arc(39.6,51.51) 39.52,51.68 39,52.2 v2(38.78,52.2) ; v2(38.83,21) 40.1,21 42.5,23.4 42.5,24.8 46.85,29.15 46.85,38.25 47.45,38.85 ; v1(46.6,38.85) 47.45,38.85 ; 47.45,38.85 47.95,39.35 51.3,39.35 53.75,41.8 53.75,43.95 54.8,45 ; 34.56,67.77 v2(38.78,67.77) 38.84,67.77 40.55,66.05 40.55,59.74 arc(40.48,59.57) 40.31,59.5 40,59.5 arc(39.84,59.43) 39.76,59.26 39.76,59.14 arc(39.84,58.97) 40,58.9 40.31,58.9 arc(40.48,58.83) 40.55,58.66 40.55,58.54 arc(40.48,58.37) 40.31,58.3 40,58.3 arc(39.84,58.23) 39.76,58.06 39.76,57.94 arc(39.84,57.77) 40,57.7 40.31,57.7 arc(40.48,57.63) 40.55,57.46 40.55,57.34 arc(40.48,57.17) 40.31,57.1 40,57.1 arc(39.84,57.03) 39.76,56.86 39.76,56.74 arc(39.84,56.57) 40,56.5 40.31,56.5 arc(40.48,56.43) 40.55,56.26 v1(40.55,53.1) ; 54.8,45 56.7,45 U3.L3 ; v1(45.45,38.85) 41.95,38.85 39.7,36.6 v2(38.78,36.6) ; TP25.1 40.55,60.55
  Top w0.3: v2(38.83,21) 34.6,21 32.7,19.1 INA_3V3.4 ; v2(38.78,36.6) 34.55,36.6 32.65,34.7 INA_1V8.4 ; 34.56,67.77 32.66,65.86 INA_2V5.4 ; INA_1.4 32.65,50.3 34.55,52.2 v2(38.78,52.2) 38.78,49.34 SCL_UP_1.1
  Top w1.8: J14.17 J10.18
  In4.Cu w0.2: v1(68.3,34.5) 68.1,34.7 v1(65.4,34.7)
  Bottom w0.2: v1(45.45,38.85) v1(46.6,38.85) ; v1(68.3,34.5) 68.5,34.7 83.7,34.7 J14.17 ; v1(53.35,45.05) 53.35,36.25 55,34.6 65.3,34.6 v1(65.4,34.7) ; v1(40.55,53.1) v1(40.55,50.5)
  Bottom w0.3: A0_3.3 33.93,65.36 35.02,64.27 37.38,64.27 38.78,65.67 38.78,72.87 36.68,74.97 34.78,74.97 A1_3.3 ; A0_2.3 33.93,34.2 35.02,33.1 37.38,33.1 38.78,34.5 38.78,41.7 36.68,43.8 34.78,43.8 A1_2.3 ; A0_1.3 33.93,49.8 35.02,48.7 37.38,48.7 38.78,50.1 38.78,57.3 36.68,59.4 34.78,59.4 A1_1.3 ; A0_4.3 33.98,18.6 35.07,17.5 37.43,17.5 38.83,18.9 38.83,26.1 36.73,28.2 34.83,28.2 A1_4.3
IIC_SDA: length 259.9
  Top w0.2: 41.2,51.38 41.2,66.94 v2(39.78,68.37) ; 41.2,51.38 41.2,50.2 41.95,49.45 51.75,49.45 52.3,48.9 arc(52.47,48.83) 52.64,48.9 52.73,48.99 arc(52.9,49.06) 53.07,48.99 53.16,48.91 arc(53.23,48.74) 53.16,48.57 52.82,48.24 arc(52.79,48.17) 52.82,48.1 53.19,47.72 arc(53.26,47.69) 53.33,47.72 arc(53.41,47.75) 53.48,47.72 53.75,47.45 53.75,46.1 ; 41.2,51.38 v2(39.78,52.8) ; 54.05,45.8 53.75,46.1 ; 54.05,45.8 v1(53.75,45.8) 53.75,46.1 ; 54.05,45.8 55.9,45.8 U3.K2 ; 46.68,39.62 46.65,39.6 43.21,39.6 arc(43.04,39.67) 42.97,39.84 42.97,40.34 arc(42.89,40.51) 42.73,40.58 42.61,40.58 arc(42.44,40.51) 42.37,40.34 42.37,39.84 arc(42.29,39.67) 42.13,39.6 41.48,39.6 41.19,39.32 arc(41.14,39.2) 41.19,39.08 arc(41.24,38.97) 41.19,38.85 41,38.66 arc(40.88,38.61) 40.77,38.66 40.13,39.3 arc(39.96,39.37) 39.79,39.3 39.71,39.21 arc(39.64,39.04) 39.71,38.87 40.06,38.52 arc(40.13,38.35) 40.06,38.18 v2(39.78,37.9) ; TP22.1 41.2,60.65 ; v1(53.75,44.55) 53.35,44.15 53.35,42.9 50.65,40.2 47.25,40.2 46,38.95 46,29.6 42.62,26.21 arc(42.45,26.14) 42.28,26.21 42.1,26.39 arc(41.93,26.46) 41.76,26.39 41.68,26.3 arc(41.61,26.14) 41.68,25.97 41.85,25.79 arc(41.92,25.62) 41.85,25.45 41.5,25.1 41.5,24 v2(39.8,22.3)